# Altium PCB PCB1_Bak.PcbDoc (part 3 of 5) (continued)
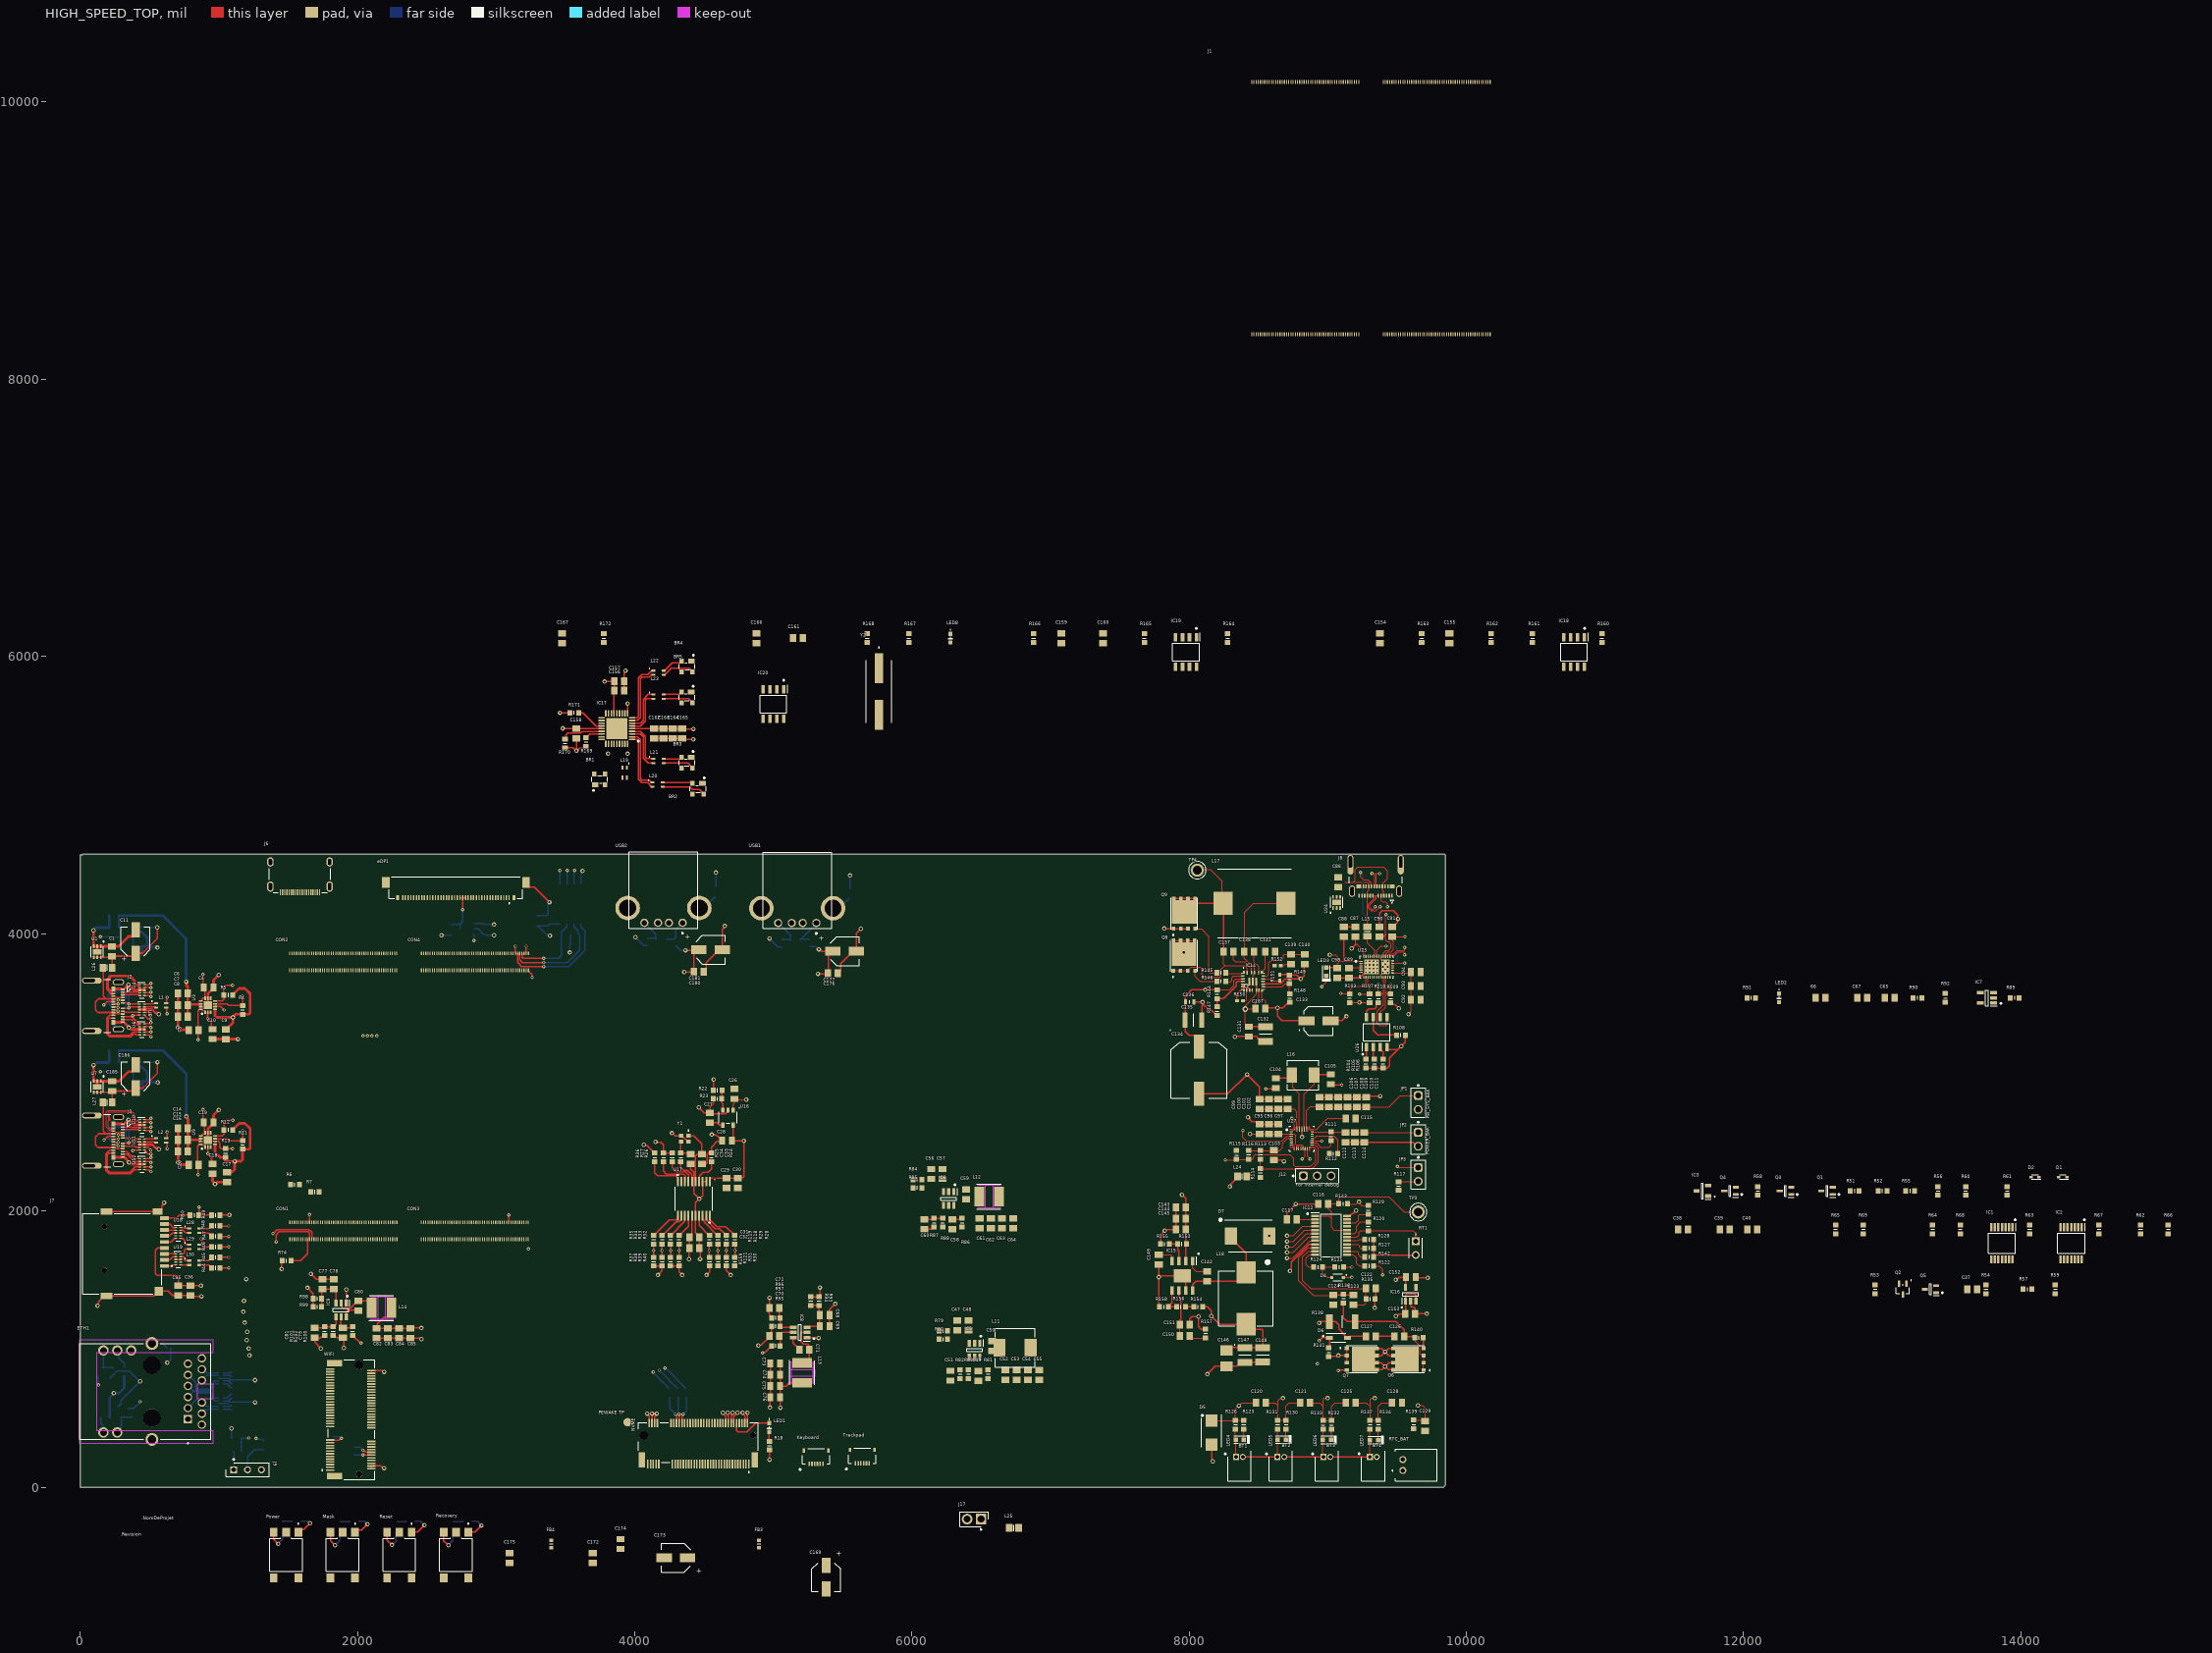
[diagram p0: HIGH_SPEED_TOP view]
## Part data (continued)
TP3 TP4: library part 5006, "Test Point Compact THM PC .350 L .125 OD Heat Resistant Nylon 46 Black", Package="NON STANDARD-1 Keystone", Check_prices=https://www.snapeda.com/parts/5006/Keystone/view-part/?ref=eda, MF="Keystone Electronics Corp.", MP=5006, SnapEDA_Link=https://www.snapeda.com/parts/5006/Keystone/view-part/?ref=snap
U1 U7 U24: "ESD Suppressors / TVS Diodes 22V flat-clamp surge protection device 6-WSON -40 to 125", Breakdown Voltage=24.6V, Clamping Voltage=28V, Manufacturer="Texas Instruments", Max Operating Temperature=125°C, Min Operating Temperature=-40°C, Package="WSON-6 Texas Instruments", Peak Pulse Current=40A, Reverse Standoff Voltage=22V, Supplier Part Number=296-52187-1-ND, Category="ESD and Circuit Protection ICs", Check_prices=https://www.snapeda.com/parts/TVS2200DRVR/Texas+Instruments/view-part/?ref=eda, ComponentLink1Description=http://www.ti.com/general/docs/suppproductinfo.tsp?distId=10&amp;gotoUrl=http%3A%2F%2Fwww.ti.com%2Flit%2Fgpn%2Ftvs2200&src-supplier=Digikey, ComponentLink1URL=http://www.ti.com/general/docs/suppproductinfo.tsp?distId=10&amp;gotoUrl=http%3A%2F%2Fwww.ti.com%2Flit%2Fgpn%2Ftvs2200&src-supplier=Digikey, ComponentLink2Description=http://www.ti.com/lit/ds/symlink/tvs2200.pdf?src-supplier=Digikey, ComponentLink2URL=http://www.ti.com/lit/ds/symlink/tvs2200.pdf?src-supplier=Digikey, Direction=Unidirectional, Height=800um, Length=2mm, Manufacturer Part Number=TVS2200DRVR, MF="Texas Instruments", Mounting Technology="Surface Mount", MP=TVS2200DRVR, Number of Channels=1, Number of Circuits=1, Packaging="Cut Tape", Pins=6, Pricing="1=0.54, 10=0.373, 100=0.254, 500=0.199, 1000=0.181 (USD)", RoHS=Yes, RoHS Compliant=Yes, Series=-, SnapEDA_Link=https://www.snapeda.com/parts/TVS2200DRVR/Texas+Instruments/view-part/?ref=snap, Stock=5934, Supplier=Digikey, Thickness=750um, Width=2mm
U2 U8: "2.4V~5.5V 80mΩ Active High 1 High-side switch SOT-23-5 Power Distribution Switches ROHS", Manufacturer_Name=Silergy, Datasheet Link=https://datasheet.lcsc.com/szlcsc/Silergy-Corp-SY6280AAC_C55136.pdf, Height=1.4mm, Manufacturer_Part_Number=SY6280AAC
U3 U9: "USB Controller USB 3.1 USB Interface 14-MLP (2.5x2.5)", Manufacturer_Name=onsemi, Mouser Part Number=512-FUSB302BMPX, Arrow Part Number=FUSB302BMPX, Arrow Price/Stock=https://www.arrow.com/en/products/fusb302bmpx/on-semiconductor?utm_currency=USD&region=nac, Datasheet Link=https://www.onsemi.com/pub/Collateral/FUSB302B-D.PDF, Height=0.8mm, Manufacturer_Part_Number=FUSB302BMPX, Mouser Price/Stock=https://www.mouser.co.uk/ProductDetail/onsemi-Fairchild/FUSB302BMPX?qs=8ziscO3x5y1SHqdwooDK6g%3D%3D
U4 U5 U6 U10 U11 U12 U14 U15 U18 U19 U20 U21 U22 U23: "TVS DIODE 3.6V 8.8V 10USON / 4-Channel ESD Protection Diode for USB Type-C and HDMI 2.0", Breakdown Voltage=6.4V, Manufacturer="Texas Instruments", Max Operating Temperature=125°C, Min Breakdown Voltage=5.5V, Min Operating Temperature=-40°C, Operating Supply Voltage=3.6V, Peak Pulse Current=5A, Peak Pulse Power=17W, Power Line Protection=No, Supplier Part Number=296-43875-1-ND, Category="Integrated Circuits (ICs)", ComponentLink1Description=http://www.ti.com/lit/ds/symlink/tpd4e02b04.pdf?src-supplier=Digikey, ComponentLink1URL=http://www.ti.com/lit/ds/symlink/tpd4e02b04.pdf?src-supplier=Digikey, ComponentLink2Description=http://www.ti.com/lit/ds/symlink/tpd4e02b04.pdf?src-supplier=Farnell, ComponentLink2URL=http://www.ti.com/lit/ds/symlink/tpd4e02b04.pdf?src-supplier=Farnell, ComponentLink3Description=http://www.ti.com/lit/ds/symlink/tpd4e02b04.pdf?src-supplier=Newark, ComponentLink3URL=http://www.ti.com/lit/ds/symlink/tpd4e02b04.pdf?src-supplier=Newark, ComponentLink4Description=http://www.ti.com/general/docs/lit/getliterature.tsp?genericPartNumber=TPD4E02B04&amp;&amp;fileType=pdf&src-supplier=Element14, ComponentLink4URL=http://www.ti.com/general/docs/lit/getliterature.tsp?genericPartNumber=TPD4E02B04&amp;&amp;fileType=pdf&src-supplier=Element14, CompType=IC, Diode Type=ZENER, Direction=211Direction, Height=550um, Interface=USB,HDMI, Lead Free="Lead Free", Length=2.5mm, Manufacturer Part Number=TPD4E02B04DQAR, Mfr_Name="Texas Instruments", Mounting Technology="Surface Mount", MountType=SMT, Number of Bidirectional Channels=4, Number of Channels=4, PackageReference=DQA0010A, Packaging="Cut Tape", PartNumber=TPD4E02B04DQAR, Pins=10, Reach SVHC Compliant=No, RefDes=RefDes, Reverse Standoff Voltage=3.6V, RoHS=Y, RoHS Compliant=Yes, Series=-, Supplier=Digikey, Thickness=500um, Type=TYPE, Width=1mm
U13: "5.5-V, 2-A, 80-mΩ , 10-nA leakage load switch adj. rise time and adj output discharge 6-SOT-23 -45 to 125", Case/Package=926Case, Manufacturer="Texas Instruments", Supplier Part Number=296-TPS22917LDBVRCT-ND, Category="Integrated Circuits (ICs)", Length=2.9mm, Manufacturer Part Number=TPS22917LDBVR, Mfr_Name="Texas Instruments", Pins=6NUMBER, Pricing="1=0.41, 10=0.284, 25=0.2528, 100=0.2188, 250=0.20248, 500=0.1927, 1000=0.18463 (USD)", RefDes=RefDes, RoHS=No, Stock=10229, Supplier=Digikey, Thickness=1.2mm, Type=TYPE, Width=1.6mm
U16: "RT9193 Series 300 mA 3.3 V Ultra-Low Noise Ultra-Fast CMOS LDO Regulator-SC-70-5", Case/Package=SOT-23-5, Dropout Voltage=220mV, Manufacturer=Richtek, Max Operating Temperature=125°C, Max Supply Voltage=5.5V, Mfr_Name="Richtek Technology", Min Input Voltage=2.5V, Min Operating Temperature=-40°C, Min Output Voltage=3.3V, Output Current=300mA, Power Supply Rejection Ratio (PSRR)=50dB, Quiescent Current=130uA, Supplier Part Number=1028-1014-1-ND, Category="Voltage Regulators - Linear", ComponentLink1Description=https://datasheet.ciiva.com/2046/3d3futf-83fb3frfm5mtkzlte2lnbkzg3d3d3f3d-2046896.pdf?src-supplier=Digikey, ComponentLink1URL=https://datasheet.ciiva.com/2046/3d3futf-83fb3frfm5mtkzlte2lnbkzg3d3d3f3d-2046896.pdf?src-supplier=Digikey, ComponentLink2Description=https://datasheet.ciiva.com/28652/1782157-28652989.pdf?src-supplier=Element14, ComponentLink2URL=https://datasheet.ciiva.com/28652/1782157-28652989.pdf?src-supplier=Element14, Lead Free="Lead Free", Manufacturer Part Number=RT9193-33GB, Mounting Technology="Surface Mount", Nominal Output Voltage=3.3V, Number of Regulators=1, Output Configuration=Positive, Output Type=Fixed, Packaging="Cut Tape", Pins=5, Pricing="1=0.88, 10=0.533, 25=0.4408, 100=0.3365, 250=0.28532, 500=0.25378, 1000=0.22736 (USD)", Reach SVHC Compliant=Unknown, RefDes=RefDes, RoHS=Yes, RoHS Compliant=Yes, Series=-, Stock=19103, Supplier=Digikey, Type=Type
U17: "Clock Generators & Support Products PCI express Gen 2 4 output clock gen", Case/Package=TSSOP, Clock Frequency=200MHz, Manufacturer=Diodes, Max Operating Temperature=85°C, Max Supply Voltage=3.465V, Mfr_Name=Pericom, Min Operating Temperature=-40°C, Min Supply Voltage=3.135V, Operating Supply Voltage=3.3V, Package Quantity=74, Supplier Part Number=PI6C557-05BLE-ND, Supply Current=120mA, Category="Clock and Timing", ComponentLink1Description=https://datasheet.ciiva.com/14827/pi6c557-05b-14827350.pdf?src-supplier=Arrow+Electronics, ComponentLink1URL=https://datasheet.ciiva.com/14827/pi6c557-05b-14827350.pdf?src-supplier=Arrow+Electronics, ComponentLink2Description=https://datasheet.ciiva.com/12295/pi6c557-05b-218523-12295667.pdf?src-supplier=Mouser, ComponentLink2URL=https://datasheet.ciiva.com/12295/pi6c557-05b-218523-12295667.pdf?src-supplier=Mouser, Input=Crystal, Manufacturer Part Number=PI6C557-05BLE, Mounting Technology="Surface Mount", Number of Circuits=1, Number of Elements=1, Packaging=Rail/Tube, Pins=20, PLL=Yes, Pricing="1=3.43, 10=2.188, 74=1.56716, 148=1.41622, 296=1.2898, 518=1.20288, 1036=1.1111, 2516=1.05 (USD)", RefDes=RefDes, RoHS=Yes, RoHS Compliant=Yes, Series=-, Stock=29, Supplier=Digikey, Type=Type
U25: "USB Type-C and USB PD Controller with Integrated Power Switches Optimized for Power Applications", Manufacturer="Texas Instruments", Max Supply Voltage=22V, Min Supply Voltage=3V, Operating Temperature Range="-40°C to +125°C", AEC Category=Q200, AEC Qualified=No, ComponentLink1Description="Datasheet Link", ComponentLink1URL=http://www.ti.com/lit/ds/symlink/GPN.pdf, ComponentLink2Description="Product Folder", ComponentLink2URL=http://www.ti.com/product/GPN, ComponentLink3Description="Online Datasheet", ComponentLink3URL=http://www.ti.com/product/GPN/datasheet, CompType=IC, Datasheet Path=datasheets/IC-TPS25750DRJK.pdf, helpURL=https://upverter.com/upn/revision/5be88369cac593dc/, Number of Ports=1, PackageReference=VQFN32, Part Number=TPS25750DRJK, RoHS=UNKNOWN, SizeZ_mm=0.8mm, Standoff Height=0mm, TaMax_C=+105°C, TaMin_C=-40°C, Tjmax_C=+175°C, Usb Standard="USB 3.0"
U26: "EEPROM Memory IC 256Kbit I2C 1 MHz 500 ns 8-SOIC", Manufacturer_Name=onsemi, Mouser Part Number=698-CAT24C256WI-GT3, Arrow Part Number=CAT24C256WI-GT3, Arrow Price/Stock=https://www.arrow.com/en/products/cat24c256wi-gt3/on-semiconductor?utm_currency=USD&region=nac, Datasheet Link=https://www.onsemi.com/pub/Collateral/CAT24C256-D.PDF, Height=1.75mm, Manufacturer_Part_Number=CAT24C256WI-GT3, Mouser Price/Stock=https://www.mouser.co.uk/ProductDetail/onsemi/CAT24C256WI-GT3?qs=rZgeL6XvLwaEqwp5Dppodg%3D%3D
U27: library part BQ2579x, "BQ2579x HotRod", Manufacturer="Texas Instruments", Operating Temperature Range=to, Datasheet Path=datasheets/IC-BQ25792RQM.pdf, helpURL=https://upverter.com/upn/revision/94d0648e55e6c5c0/, PackageReference=VQFN-HR29, Part Number=BQ25792RQM, RoHS=UNKNOWN, SizeZ_mm=1mm, Standoff Height=0mm
USB1 USB2: library part 292303-1, "USB-A (USB TYPE-A) USB 2.0 Receptacle Connector 4 Position Through Hole, Right Angle", Manufacturer_Name="TE Connectivity", Mouser Part Number=571-292303-1, Arrow Part Number=292303-1, Arrow Price/Stock=https://www.arrow.com/en/products/292303-1/te-connectivity?region=europe, Datasheet Link=https://datasheet.datasheetarchive.com/originals/distributors/Datasheets_SAMA/3e4c4de204b167d1a9250e6de251b7b8.pdf, Manufacturer_Part_Number=292303-1, Mouser Price/Stock=https://www.mouser.co.uk/ProductDetail/TE-Connectivity/292303-1?qs=G%2F5vCLrg9vx2OsUPTgR%2F%252BQ%3D%3D
WIFI: "PCIe M.2 Connectors, Storage and Server Connector, P=0.5mm, H=3.2mm, Key E,30Î¼in Au Plating", Package=None, Availability="In Stock", Check_prices=https://www.snapeda.com/parts/MDT320E01001/Amphenol+FCI/view-part/?ref=eda, MF="Amphenol ICC", MP=MDT320E01001, Price=None, Purchase-URL=https://pricing.snapeda.com/search/part/MDT320E01001/?ref=eda, SnapEDA_Link=https://www.snapeda.com/parts/MDT320E01001/Amphenol+FCI/view-part/?ref=snap
Y1: library part ECS-250-8-37B2-RWY-TR, "Crystal 25MHz ±15ppm (Tol) ±15ppm (Stability) 8pF FUND 50Ohm 4-Pin Mini-CSMD T/R", Manufacturer="ECS International", Package=None, Supplier Part Number=50-ECS-250-8-37B2-RWY-TRCT-ND, Availability=Unavailable, Category=Crystals, ComponentLink1Description=https://datasheet.octopart.com/ECS-250-8-37B2-RWY-TR-ECS-International-datasheet-163707945.pdf?src-supplier=Electro+Sonic, ComponentLink1URL=https://datasheet.octopart.com/ECS-250-8-37B2-RWY-TR-ECS-International-datasheet-163707945.pdf?src-supplier=Electro+Sonic, Manufacturer Part Number=ECS-250-8-37B2-RWY-TR, MF="{'manufacturer': u'ECS Inc.'}", MP=ECS-250-8-37B2-RWY-TR, Price=None, Pricing="1=0.37, 10=0.321, 50=0.2914, 100=0.2794, 500=0.25326, 1000=0.24278 (USD)", RoHS=No, Stock=26122, Supplier=Digikey
Y2: library part HCM4924000000ABJT, "Crystal 24MHz ±30ppm (Tol) ±50ppm (Stability) 18pF FUND 50Ohm Automotive 2-Pin HC-49/US SMD T/R", ESR (Equivalent Series Resistance)=50R, Frequency=24MHz, Frequency Stability=50ppm, Frequency Tolerance=30ppm, Load Capacitance=18pF, Manufacturer=Citizen, Manufacturer_Name="CITIZEN FINEDEVICE", Max Operating Temperature=60°C, Min Operating Temperature=-10°C, Mouser Part Number=695-HCM4924.0ABJT, Operating Frequency="24 MHz", Supplier Part Number=300-6145-1-ND, Category=Crystals, ComponentLink1Description=https://datasheet.ciiva.com/16377/hcm49-16377455.pdf?src-supplier=Future+Electronics, ComponentLink1URL=https://datasheet.ciiva.com/16377/hcm49-16377455.pdf?src-supplier=Future+Electronics, Datasheet Link=http://cfd.citizen.co.jp/english/prod-tech/product/pdf/datasheet_AT/HCM49_E.pdf, Height=4.3mm, Lead Free="Lead Free", Manufacturer Part Number=HCM4924000000ABJT, Manufacturer_Part_Number=HCM4924000000ABJT, Mounting Technology="Surface Mount", Mouser Price/Stock=https://www.mouser.co.uk/ProductDetail/Citizen-FineDevice/HCM4924000000ABJT?qs=byeeYqUIh0Mz0GkevvEzSA%3D%3D, Packaging="Cut Tape", Pricing="1=0.54, 10=0.47, 50=0.4262, 100=0.4085, 500=0.37032 (USD)", RoHS=Yes, RoHS Compliant=Yes, Series=HCM49, Stock=24350, Supplier=Digikey

## Free pads (board coordinates)
  round 60 all layers, no hole: "Pewake TP"(3948,474)

## Via types
v1: diameter 32, hole 16, HIGH_SPEED_TOP to HIGH_SPEED_BOT, 172 vias
v2: diameter 24, hole 12, HIGH_SPEED_TOP to HIGH_SPEED_BOT, 136 vias
v3: diameter 23.62, hole 11.81, HIGH_SPEED_TOP to HIGH_SPEED_BOT, 24 vias
v4: diameter 40, hole 20, HIGH_SPEED_TOP to HIGH_SPEED_BOT, 1 vias

## Nets (pads, with @x,y where several pads share a name; then routed paths per layer and width w, separated by ;. In a path a pad name is that pad's centre, name@x,y a point inside that pad or via, vN(x,y) a via of type N, cw(c..) or ccw(c..) an arc to the next point about the centre after c; other vN are vias at no path point)
5V_HDMI_TX0: C37.2 IC3.2 J6.18 U21.2 U21.9
(1..4)VBUS: C86.2 J8.A4 J8.A9 J8.B4 J8.B9 L15.1 U24.4 U24.5 U24.6 | length 1047.8
  HIGH_SPEED_TOP w7.87: C86.2@9073.45,4334.25 C86.2@9074.45,4335.25 ; 9121.52,4371.68 9181.52,4371.68 ; L15.1@9285.58,4048.47 J8.A9@9285.58,4273.77 9285.58,4303.28 9295.42,4313.12 J8.B4@9295.42,4340.7 J8.B4@9294.77,4341.35 ; J8.B4@9294.16,4341.96 J8.B4@9294.77,4341.35 ; J8.A4@9403.69,4273.77 9403.69,4303.28 9393.84,4313.12 J8.B9@9393.84,4340.7 9395.77,4342.63 9395.77,4358.94 9431.52,4394.68 9431.52,4451.68 9401.52,4481.68 9216.52,4481.68 9195.52,4460.68 9195.52,4385.68 9181.52,4371.68 ; 9181.52,4371.68 9286.52,4371.68 9294.77,4363.44 J8.B4@9294.77,4341.35
+1V8: C45.2 C46.1 C67.2 IC4.8 IC7.5 R49.2 R75.2 R76.2 | length 489
  HIGH_SPEED_TOP w10: R49.2@1008.5,1968 1009.5,1969 v1(1075,1969)
  HIGH_SPEED_BOT w10: C46.1@3294,4057.13 C46.1@3299.91,4057.13 ; v1(3388,3985) 3383.79,3989.21 3367.83,3989.21 C46.1@3299.91,4057.13 ; IC4.8@3461,4071.28 3388.72,4071.28 C45.2@3376,4058.57 3374.57,4057.13 C46.1@3299.91,4057.13 ; v1(3532,3863) 3532,3927.5 R75.2@3533.5,3929 3537.5,3933.01 R76.2@3537.5,3992
+3V3: C9.2 C17.2 C21.2 C60.2 C61.2 C62.2 C63.2 C64.2 C156.1 C157.1 C158.1 C162.1 C163.1 C164.1 C165.1 D2.2 IC17.5 IC17.10 IC17.15 IC17.23 IC17.29 IC17.36 L12.1 Q1.1 R4.1 R5.1 R11.1 R12.1 R13.2 R14.2 R15.2 R18.2 R22.2 R51.2 R52.2 R55.2 R60.2 R77.2 R87.2 R89.1 R92.2 R161.1 R167.1 U3.4 U9.4 U13.1 | length 3518.1
  HIGH_SPEED_TOP w10: v1(3480,5481) 3575.43,5481 C158.1@3578,5478.43 IC17.23@3759.2,5478.43 ; v1(3782,5818) 3850.34,5818 C157.1@3853.67,5821.33 3853.37,5821.03 C156.1@3853.37,5754.05 3850.32,5750.99 IC17.15@3850.32,5589.24 IC17.15@3850.66,5589.58 ; IC17.10@3948.74,5589.24 3949.37,5589.87 3949.37,5659.37 v1(3950,5660) ; IC17.5@3980.24,5479 C162.1@4140,5479 C163.1@4207.28,5479 C164.1@4274.57,5479 C165.1@4341.85,5479 4343.85,5477 v1(4423,5477) ; R22.2@4566,2869 4570,2873 v1(4570,2948) ; 4970,404.5 4972,402.5 ; v1@4972,205 R18.2@4972,274.01 ; C60.2@6088.82,1867.1 6142.91,1867.1 6157.85,1882.04 R87.2@6159.82,1882.04
  HIGH_SPEED_TOP w19.68: U3.4@971.14,3453.87 971.14,3406.64 982.67,3395.11 v1(1100.9,3395.11) ; U9.4@972.14,2480.78 972.14,2421.86 1010,2384 R13.2@1046.5,2384 ; R13.2@1046.03,2385.5 R13.2@1048,2385.5 R13.2@1046.5,2384 ; C9.2@1048.9,3309.54 1054.8,3309.54 1100.9,3355.64 v1(1100.9,3395.11) ; C17.2@1059,2277.43 1062.58,2281.01 1096.69,2281.01 1114,2298.33 v1(1114,2357) 1160,2357 1171,2368 R11.1@1171,2444.5 1216.5,2444.5 1226,2454 1226,2593 1189,2630 1146.5,2630 1114.18,2597.68 1112.21,2597.68 1099.5,2584.97 R12.1@1099.5,2583 R12.1@1100.5,2582 ; R5.1@1099.5,3556 1098.5,3557 1098.5,3558.97 1111.21,3571.69 1113.18,3571.69 1145.5,3604 1188,3604 1225,3567 1225,3428 1215.5,3418.5 1121.69,3418.5 1100.9,3397.71 v1(1100.9,3395.11) ; v1@1113,2356 1051.86,2356 1046,2361.86 1046,2378.5 1043.5,2381 R13.2@1046.5,2384
  HIGH_SPEED_BOT w10: v1(1091,429) 1091,364.5 R77.2@1096.5,359 ; U13.1@2841.2,4073.4 2907.03,4073.4 C21.2@2915,4065.43 2915.43,4065 v1(2985,4065)
  HIGH_SPEED_BOT w19.68: R14.2@212.5,512 212.5,649.54 242,679.05 v1(242,685) 245,682 278,682 317,721 R15.2@317,806.5
  other v1: 4973,204 3948,5297 3808,5299
+3V3_NVME: C72.2 C73.2 C74.2 C75.2 C76.2 L13.1 NVME.2 NVME.4 NVME.12 NVME.14 NVME.16 NVME.18 NVME.70 NVME.72 NVME.74 R96.2 | length 1330.5
  HIGH_SPEED_TOP w10: v1(4090,537) 4090,531.05 4104.4,516.64 NVME.74@4104.4,469.24 ; NVME.72@4124.09,469.24 4124.09,536.59 v1(4124.5,537) ; NVME.70@4143.77,469.24 4143.77,515.82 4159,531.05 v1(4159,537) ; v1(4636,542) 4636,537.33 4655.58,517.74 NVME.18@4655.58,469.24 ; v1(4671.6,542) 4674.36,539.24 4674.36,470.15 NVME.16@4675.27,469.24 ; NVME.14@4694.95,469.24 4694.95,523.8 4707.2,536.05 v1(4707.2,542) ; NVME.12@4714.64,469.24 4714.64,513.84 v1(4742.8,542) ; v1(4778.4,542) 4778.4,536.05 4793.38,521.07 NVME.4@4793.38,469.24 ; NVME.2@4813.06,469.24 4813.53,469.71 4813.53,541.53 v1(4814,542) ; v1(4972.85,1372.2) 4972.85,1299.2 C72.2@4971.85,1298.2 4968.85,1295.2 4968.85,1259.2 4974.07,1253.98 4974.07,1239.92 R96.2@4986.79,1227.2 ; C73.2@5048.28,899.2 C74.2@5048.28,817.87 C75.2@5048.28,736.54 ; v1(5050.85,579.2) 5050.85,652.64 C76.2@5048.28,655.2 C75.2@5048.28,736.54 ; L13.1@5208.28,758.36 5114,758.36 5090.85,735.2 5049.62,735.2 C75.2@5048.28,736.54
+3V3_PI6C: C28.2 C29.2 C30.2 C31.2 C32.2 R26.2 R27.2 U16.5 U17.1 U17.15 | length 1247.7
  HIGH_SPEED_TOP w10: v1(4149,2497) 4151,2495 4189,2495 4208,2476 R27.2@4208,2416.5 R26.2@4271,2416.5 ; v1(4392,1651) 4392,1728.43 C32.2@4393.57,1730 C31.2@4393.57,1810 4393.57,1815.91 4413.2,1835.54 U17.15@4413.2,1964.5 ; U17.1@4541.16,2209.5 4541.16,2232.43 4543.16,2234.43 C29.2@4663,2234.43 C30.2@4745,2234.43 4749.57,2239 4780,2239 4787,2246 v1(4787,2505) C28.2@4701.43,2505 4709.99,2513.55 U16.5@4709.99,2617.75
+3V3_SD_SO: C35.2 C36.2 CON4.58 J7.4 | length 637.3
  HIGH_SPEED_TOP w10: J7.4@607.12,1731.34 558.34,1731.34 540,1713 540,1549 556,1533 684,1533 707,1510 707,1460 C35.2@706,1459 C36.2@794,1459 v1(870,1459)
+3V3_WIFI: C81.2 C82.2 C83.2 C84.2 C85.2 L14.1 R101.2 WIFI.2 WIFI.4 WIFI.72 WIFI.74 | length 944.5
  HIGH_SPEED_TOP w10: v1(1735.63,1006.9) 1691.63,1050.9 C81.2@1691.63,1084.9 1696.63,1079.9 1726.63,1079.9 1733.85,1087.12 1749.91,1087.12 R101.2@1762.63,1099.83 ; WIFI.2@2101.09,138.85 WIFI.4@2101.09,158.54 2167.07,158.54 2177.69,147.92 2188.64,147.92 v1(2192.85,143.71) ; WIFI.72@2101.09,827.83 WIFI.74@2101.09,847.51 2177.09,847.51 2186.9,837.71 v1(2192.85,837.71) ; L14.1@2245.48,1300.33 2245.48,1264.33 2215.48,1234.33 2193.07,1234.33 2141.63,1182.9 2141.63,1155.9 C82.2@2136.63,1150.9 C83.2@2218.3,1150.9 C84.2@2299.96,1150.9 C85.2@2381.63,1150.9 2384.63,1153.9 v1(2461.63,1153.9)
+5V: C2.2 C6.2 C7.2 C8.2 C12.2 C14.2 C15.2 C16.2 C26.2 C38.2 C39.2 C40.2 C51.2 C52.2 C53.2 C54.2 C55.2 D1.2 IC1.14 IC2.14 IC3.3 IC18.5 IC18.7 IC19.7 IC20.7 L11.1 Q3.1 R82.2 U2.5 U3.12 U3.13 U8.5 U9.12 U9.13 U16.1 | length 2809.5
  HIGH_SPEED_TOP w7.87: U16.1@4709.99,2726.25 4709.99,2765.99 4720,2776 4720,2805.57 C26.2@4718,2807.57 4723.57,2802 v1(4804,2802)
  HIGH_SPEED_TOP w19.68: v1(763.9,3653.54) 766.25,3651.19 766.25,3623.86 776,3614.11 C6.2@776,3569.21 ; v1(765,2680) 765,2673.47 777,2661.47 777,2595.78 C14.2@776.71,2595.49 ; C8.2@775.71,3401.51 C7.2@775.71,3483.68 ; C7.2@775.71,3485.49 C6.2@775.71,3567.69 ; C7.2@776.61,3484.58 781.72,3489.69 854.8,3489.69 858.35,3493.24 U3.12@869.69,3493.24 U3.13@869.69,3473.56 ; C16.2@776.71,2427.49 C15.2@776.71,2511.49 ; C14.2@776.71,2600.71 C14.2@776.71,2595.49 ; U9.13@862.78,2500.46 862.78,2513.15 ; U9.12@862.78,2520.15 862.78,2513.15 ; U9.12@869.78,2520.15 862.78,2513.15 ; C15.2@776.71,2511.49 861.12,2511.49 862.78,2513.15 ; C15.2@776.71,2511.49 C14.2@776.71,2595.49
  HIGH_SPEED_BOT w19.68: U8.5@279.82,3075.4 279.82,3155.38 C12.2@280.43,3156 598,3156 765,2989 v1(765,2680) ; U2.5@279.81,4048.6 C2.2@279.81,4129.11 ; C2.2@281.03,4129.82 597.18,4129.82 764,3963 v1@764,3653.54
+12: C131.2 C132.2 C133.1 C187.1 C187.2 eDP1.10 eDP1.11 eDP1.12 IC14.11 IC14.12 IC14.13 IC14.26 IC14.29 R79.1 R80.1 R84.1 R85.1 R93.1 R94.1 R98.1 R99.1 R148.2 | length 1622.3
  HIGH_SPEED_TOP w7.87: C131.2@8431.45,3328.12 8425.54,3328.12 8406.84,3346.82 8406.84,3352.72 8404.45,3355.12 v4(8404.45,3455.68) ; IC14.11@8484.45,3590.24 8484.45,3561.68 8405.65,3482.88 8405.65,3456.88 v4(8404.45,3455.68) ; IC14.12@8504.13,3590.24 8504.13,3533.37 8478.02,3507.25 C187.1@8478.02,3457.68 8476.02,3455.68 v4(8404.45,3455.68) ; IC14.13@8524.76,3592.24 8524.76,3535.37 8550.88,3509.25 8550.88,3463.68 C187.2@8550.88,3459.68
  HIGH_SPEED_TOP w10: v1(1638.63,1443.9) 1679.14,1403.39 R98.1@1679.14,1365.9 R99.1@1679.14,1305.9 ; R94.1@5269.85,1379.7 R93.1@5329.85,1379.7 5335.85,1385.7 v1(5335.85,1447.2) ; C131.2@8431.45,3328.12 8550.38,3328.12 C132.2@8550.45,3328.05 ; IC14.11@8484.45,3590.24 IC14.26@8484.45,3654.68 ; C187.2@8540.88,3458.68 8545.88,3463.68 8550.88,3463.68 v1(8637.45,3463.68) ; R148.2@8717.45,3504.19 8715.48,3504.19 8674.98,3463.68 v1(8637.45,3463.68) ; C133.1@8845.83,3370.68 8669.45,3370.68 8637.45,3402.69 v1(8637.45,3463.68)
  LOW_SPEED w10: v4@8396.45,3456.68 v4@8399.95,3460.18
AGND: C115.1 L24.2 R112.1 R114.1 R115.1 R117.1 U27.10 U27.11 U27.13 | length 108.9
  HIGH_SPEED_TOP w10: U27.11@8788.83,2446.88 U27.10@8773.08,2446.88 8774.14,2447.94 8774.14,2467.52 8780.31,2473.68 8814.46,2473.68 8820.32,2467.83 U27.13@8820.32,2446.88
BOOT1: C137.1 IC14.22 | length 245.2
  HIGH_SPEED_TOP w7.87: C137.1@8317.88,3869.68 8317.88,3810.25 8332.45,3795.68 8401.45,3795.68 8450,3747.13 IC14.22@8450,3719.65
BOOT2: C138.1 IC14.20 | length 164.9
  HIGH_SPEED_TOP w7.87: C138.1@8468.88,3869.68 8468.88,3793.25 8501.18,3760.95 IC14.20@8501.18,3718.19
BOOT_SARADC_IN0: C43.1 CON1.15 R72.1 | length 72.4
  HIGH_SPEED_BOT w10: C43.1@1873.57,-244.44 1939.51,-244.44 R72.1@1944.08,-239.87
C_CC1: C91.2 J8.A5 U25.28 | length 676.4
  HIGH_SPEED_TOP w7.87: J8.A5@9384,4273.77 9384,4239.2 9394.52,4228.68 9416.45,4228.68 9429.45,4215.68 v2(9429.45,4194.68) ; U25.28@9416.65,3835.1 9416.65,3851.89 9431.45,3866.68 9453.84,3866.68 9473.45,3886.3 9473.45,3941.29 9464.45,3950.29 9464.45,3974.27 C91.2@9463.45,3975.27 ; C91.2@9463.45,3978.25 9556.03,3978.25 v2(9556.45,3978.67)
  LOW_SPEED w7.87: v2(9429.45,4194.68) 9463.45,4194.68 9556.45,4101.68 v2@9556.45,3975.68
C_CC2: C90.2 J8.B5 U25.29 | length 1049.4
  HIGH_SPEED_TOP w7.87: v2(9236.52,4440.68) 9237.52,4439.68 9237.52,4410.68 9258.52,4389.68 9290.52,4389.68 9315.1,4365.1 J8.B5@9315.1,4340.7 J8.B5@9317.03,4338.77 ; U25.29@9400.9,3835.1 9400.9,3859.14 9419.45,3877.68 9436.45,3877.68 9456.45,3897.68 9456.45,3926.69 9441.45,3941.68 9428.45,3941.68 9417.45,3952.68 9417.45,3990.68 ; 9417.45,3997.28 9417.45,4134.68 v2(9419.45,4136.68)
  HIGH_SPEED_TOP w10: C90.2@9372.45,3977.25 9373.02,3976.68 9403.45,3976.68 9417.45,3990.68 9417.45,3997.28
  HIGH_SPEED_BOT w7.87: v2(9236.52,4440.68) 9253.52,4423.68 9253.52,4146.68 9280.52,4119.68 9402.45,4119.68 v2(9419.45,4136.68)
C_USB_N: J8.A7 J8.B7 U25.27 | length 1203.2
  HIGH_SPEED_TOP w4.92: J8.A7@9324.95,4273.77 9336.83,4273.77 9339.71,4270.89 9339.71,4257.5 9292.55,4210.34 9292.55,4183.03 9311.86,4163.71 9345.48,4163.71 v2(9376.45,4194.68) ; J8.B7@9354.47,4340.7 9354.47,4348.61 9349.55,4353.53 9349.55,4418.58 9349.94,4418.97 9349.94,4430.3 9352.83,4433.18 9373.02,4433.18 v2(9373.52,4432.68) ; U25.27@9432.4,3835.1 9432.4,3842.98 U25.27@9433.88,3844.45 ; U25.27@9433.88,3844.56 U25.27@9433.88,3844.45 ; v2(9553.45,3899.68) 9553.45,3881.49 9550.57,3878.61 9502.07,3878.61 9477.76,3854.29 9443.6,3854.29 9437.75,3848.44 9437.75,3848.33 U25.27@9433.88,3844.45
  LOW_SPEED w4.92: v2(9373.52,4432.68) 9373.02,4433.18 9352.83,4433.18 9349.94,4430.3 9349.94,4319.93 9363.62,4306.25 9363.62,4207.51 v2(9376.45,4194.68) 9363.62,4181.86 9363.62,4061.47 9546.49,3878.61 9550.57,3878.61 9553.45,3881.49 v2(9553.45,3899.68)
C_USB_P: J8.A6 J8.B6 U25.26 | length 1147.2
  HIGH_SPEED_TOP w4.92: v2(9316.52,4433.68) 9336.72,4433.68 9340.1,4430.3 9340.1,4423.05 9339.71,4422.66 9339.71,4353.53 9334.79,4348.61 J8.B6@9334.79,4340.7 ; v2(9340.95,4194.68) 9340.95,4188.62 9325.89,4173.55 9315.94,4173.55 9302.39,4187.1 9302.39,4206.27 9349.55,4253.43 9349.55,4270.89 9352.44,4273.77 J8.A6@9364.32,4273.77 ; U25.26@9448.15,3835.1 9448.15,3842.97 9449.63,3844.44 9481.83,3844.44 9506.15,3868.76 9550.57,3868.76 9553.45,3865.88 v2(9553.45,3847.68)
  LOW_SPEED w4.92: v2(9316.52,4433.68) 9336.72,4433.68 9340.1,4430.3 9340.1,4315.85 9353.78,4302.17 9353.78,4207.51 v2(9340.95,4194.68) 9353.78,4181.86 9353.78,4057.4 9542.41,3868.76 9550.57,3868.76 9553.45,3865.88 v2(9553.45,3847.68)
CBI: IC12.16 R127.2 | length 148.6
  HIGH_SPEED_TOP w7.87: IC12.16@9139.12,1758.71 9218.42,1758.71 9227.45,1749.68 9227.45,1734.68 9232.45,1729.68 R127.2@9266.95,1729.68
CBO: IC12.21
CEC: J6.14 Q3.3 R61.1 U21.1 U21.10
CHG: Q6.4 R122.2 R140.1 | length 191
  HIGH_SPEED_TOP w7.87: R122.2@9329.94,1601.68 9371.45,1601.68 9396.45,1576.68 v2(9396.45,1538.68)
  HIGH_SPEED_TOP w10: R140.1@9688.94,1083.68 9690.59,1082.04 Q6.4@9690.59,1008.23
  other v2: 8925.45,897.68
CHG0: IC12.13 R122.1 | length 185.4
  HIGH_SPEED_TOP w7.87: IC12.13@9139.12,1681.94 9182.2,1681.94 9206.45,1657.68 9206.45,1620.68 9227.45,1599.68 9265.95,1599.68 R122.1@9267.95,1601.68
CLK1_N: R119.1 U17.17 | length 174.1
  HIGH_SPEED_TOP w10: U17.17@4464.39,1964.5 4464.39,1895.14 4537.03,1822.5 R119.1@4539,1822.5
CLK1_P: R118.1 U17.18 | length 188.7
  HIGH_SPEED_TOP w10: U17.18@4489.98,1964.5 4489.98,1937.5 4499.57,1927.91 4499.57,1920.96 4598.03,1822.5 R118.1@4600,1822.5
CLK2_N: R33.1 U17.13 | length 186.2
  HIGH_SPEED_TOP w10: R33.1@4258,1822.5 4259.97,1822.5 4360.02,1922.55 4360.02,1962.5 U17.13@4362.02,1964.5
CLK2_P: R32.1 U17.14 | length 171.6
  HIGH_SPEED_TOP w10: R32.1@4319,1822.5 4320.97,1822.5 4387.61,1889.14 U17.14@4387.61,1964.5
CLK3_N: R35.1 U17.11 | length 249.4
  HIGH_SPEED_TOP w10: R35.1@4136.05,1822.5 4138.02,1822.5 4251.02,1935.5 4308.84,1935.5 4310.84,1937.5 U17.11@4310.84,1964.5
CLK3_P: R34.1 U17.12 | length 214.7
  HIGH_SPEED_TOP w10: R34.1@4197,1822.5 4198.97,1822.5 4297.97,1921.5 4321.57,1921.5 4327.36,1927.29 4327.36,1928.43 4336.43,1937.5 U17.12@4336.43,1964.5
CLK_N: R29.1 U17.19 | length 220.5
  HIGH_SPEED_TOP w10: U17.19@4515.57,1964.5 4515.57,1937.5 4524.64,1928.43 4524.64,1927.29 4580.32,1871.61 4610.42,1871.61 4659.03,1823 R29.1@4661,1823
CLK_P: R28.1 U17.20 | length 255.3
  HIGH_SPEED_TOP w10: U17.20@4541.16,1964.5 4541.16,1937.5 4593.05,1885.61 4657.42,1885.61 4720.03,1823 R28.1@4722,1823
CLKREQ: NVME.52 R20.1 | length 189.4
  HIGH_SPEED_TOP w10: NVME.52@4320.94,469.24 4321.22,469.52 4321.22,532.72 v2(4321.5,533)
  HIGH_SPEED_BOT w10: R20.1@4312,654.5 4312,546.29 4321.5,536.79 v2(4321.5,533)
COMP: C139.2 C140.2 IC14.18 | length 429.6
  HIGH_SPEED_TOP w7.87: IC14.18@8534.65,3694.06 8563.82,3694.06 8575.45,3705.68 8575.45,3790.68 8593.45,3808.68 8668.45,3808.68 8680.45,3820.68 8680.45,3843.68 8688.45,3851.68 8734.88,3851.68 C139.2@8735.45,3851.12 C140.2@8835.45,3851.12
CR: C159.1 IC17.14
DN1_N: IC17.1 L20.2 | length 453.8
  HIGH_SPEED_TOP w10: IC17.1@3980.24,5400.26 3981.08,5401.1 4017.14,5401.1 4025,5393.24 4025,5114.06 4050.97,5088.09 4092.85,5088.09 4121.69,5059.25 L20.2@4128.58,5059.25
DN1_OUT_N: BR2.4 Keyboard.5 L20.3 | length 318.6
  HIGH_SPEED_TOP w10: L20.3@4201.42,5059.25 4395.79,5059.25 4416.63,5038.42 4464.79,5038.42 4496.37,5006.83 BR2.4@4496.37,5004.87
DN1_OUT_P: BR2.2 Keyboard.4 L20.4 | length 219.2
  HIGH_SPEED_TOP w10: L20.4@4201.42,5090.75 4410.49,5090.75 BR2.2@4417.63,5083.61
DN1_P: IC17.2 L20.1 | length 448.9
  HIGH_SPEED_TOP w10: IC17.2@3980.24,5419.94 4019.16,5419.94 4039,5400.1 4039,5119.86 4051.09,5107.76 4104.68,5107.76 4121.69,5090.75 L20.1@4128.58,5090.75
DN2_N: IC17.3 L21.2 | length 322.6
  HIGH_SPEED_TOP w10: IC17.3@3980.24,5439.63 4040.71,5439.63 4053.17,5427.17 4062,5418.34 4062,5268.2 4098.82,5231.38 4128.45,5231.38 L21.2@4128.58,5231.25
DN2_OUT_N: BR3.4 L21.3 Trackpad.5 | length 222.4
  HIGH_SPEED_TOP w10: L21.3@4208.47,5229.72 4382.64,5229.72 4415.37,5196.98 BR3.4@4415.37,5195.02
DN2_OUT_P: BR3.2 L21.4 Trackpad.4 | length 134.4
  HIGH_SPEED_TOP w10: L21.4@4208.47,5261.21 4325.88,5261.21 4336.63,5271.96 BR3.2@4336.63,5273.76
DN2_P: IC17.4 L21.1 | length 317.7
  HIGH_SPEED_TOP w10: IC17.4@3980.24,5459.32 4040.83,5459.32 4076,5424.14 4076,5274 4087.25,5262.75 L21.1@4128.58,5262.75
DN3_N: IC17.6 L23.2
DN3_OUT_N: BR5.4 L23.3 USB1.2 | length 219.9
  HIGH_SPEED_TOP w10: L23.3@4208.42,5694.25 4388.95,5694.25 4415.37,5667.83 BR5.4@4415.37,5665.87
DN3_OUT_P: BR5.2 L23.4 USB1.3 | length 137.2
  HIGH_SPEED_TOP w10: L23.4@4208.42,5725.75 4319.74,5725.75 4336.63,5742.64 BR5.2@4336.63,5744.61
DN3_P: IC17.7 L23.1
DN4_N: IC17.8 L22.2 | length 773.6
  HIGH_SPEED_TOP w10: 3980.24,5498.68 4040.83,5498.68 4076,5533.86 4076,5684 4087.25,5695.25 4135.58,5695.25 ; IC17.8@3980.24,5538.06 4019.16,5538.06 4039,5557.9 4039,5838.14 4051.09,5850.24 4104.68,5850.24 4121.69,5867.25 L22.2@4128.58,5867.25
DN4_OUT_N: BR4.4 L22.3 USB2.2 | length 241.6
  HIGH_SPEED_TOP w10: L22.3@4208.47,5866.25 4215.36,5866.25 4264.69,5915.58 4392.62,5915.58 4417.37,5890.83 BR4.4@4417.37,5888.87
DN4_OUT_P: BR4.2 L22.4 USB2.3 | length 160.2
  HIGH_SPEED_TOP w10: L22.4@4208.47,5897.75 4215.36,5897.75 4272.5,5954.89 4327.88,5954.89 4338.63,5965.64 BR4.2@4338.63,5967.61
DN4_P: IC17.9 L22.1 | length 776.4
  HIGH_SPEED_TOP w10: 3980.24,5518.37 4040.71,5518.37 4053.17,5530.83 4062,5539.66 4062,5689.8 4098.82,5726.62 4128.45,5726.62 4128.58,5726.75 ; IC17.9@3980.24,5557.74 3981.08,5556.9 4017.14,5556.9 4025,5564.76 4025,5843.94 4050.97,5869.91 4092.85,5869.91 4121.69,5898.75 L22.1@4128.58,5898.75
DR1H: IC14.2 R146.1 | length 152.7
  HIGH_SPEED_TOP w7.87: R146.1@8262.68,3656.19 8266.18,3652.68 8297.45,3652.68 8306.45,3661.68 8306.45,3681.68 8318.82,3694.06 IC14.2@8385.04,3694.06
DR1L: IC14.1 IC14.27 R145.1 | length 119.6
  HIGH_SPEED_TOP w7.87: R145.1@8262.68,3717.19 8266.6,3713.27 IC14.27@8380.63,3713.27
DSG: Q7.4 R125.2 | length 121.3
  HIGH_SPEED_TOP w7.87: R125.2@9113.94,1593.68 9114.94,1592.68 v2@9172.45,1592.68
  HIGH_SPEED_TOP w10: v2(9075.45,847.68) 9077.09,849.32 9134.81,849.32 Q7.4@9136.45,850.96
  other v2: 9173.45,1592.68
DSG0: IC12.12 R124.1 | length 181.9
  HIGH_SPEED_TOP w7.87: R124.1@8898.95,1593.68 8897.95,1594.68 8861.45,1594.68 8844.45,1611.68 8844.45,1658.68 8867.7,1681.94 IC12.12@8907.78,1681.94
DSG1: D4.2 R124.2 R125.1 | length 211.5
  HIGH_SPEED_TOP w7.87: D4.2@9028.52,1518.68 8994.45,1518.68 8961.94,1551.19 R124.2@8961.94,1593.68 R125.1@9050.95,1593.68
DSG2: D4.1 D6.1 R141.1 | length 219.2
  HIGH_SPEED_TOP w7.87: D4.1@9112.38,1518.68 v2(9173.45,1518.68)
  HIGH_SPEED_TOP w10: v2(8938.45,1061.68) 8960.45,1083.68 D6.1@9012.49,1083.68 9012.49,1017.22 R141.1@9006.45,1011.18
EN/UVLO: IC14.4 R144.1 R147.2 | length 312.5
  HIGH_SPEED_TOP w10: R147.2@8200.45,3472.18 R144.1@8200.45,3531.19 8248.95,3531.19 8340.45,3622.68 8340.45,3648.83 8346.31,3654.68 IC14.4@8387.52,3654.68
FB: IC14.14 R148.1 R149.2 | length 271.1
  HIGH_SPEED_TOP w7.87: IC14.14@8534.65,3615.31 8668.08,3615.31 8690.95,3638.19 R149.2@8723.45,3638.19 8723.45,3568.18 R148.1@8725.45,3566.18